# Altium PCB PCB.PcbDoc (continued)
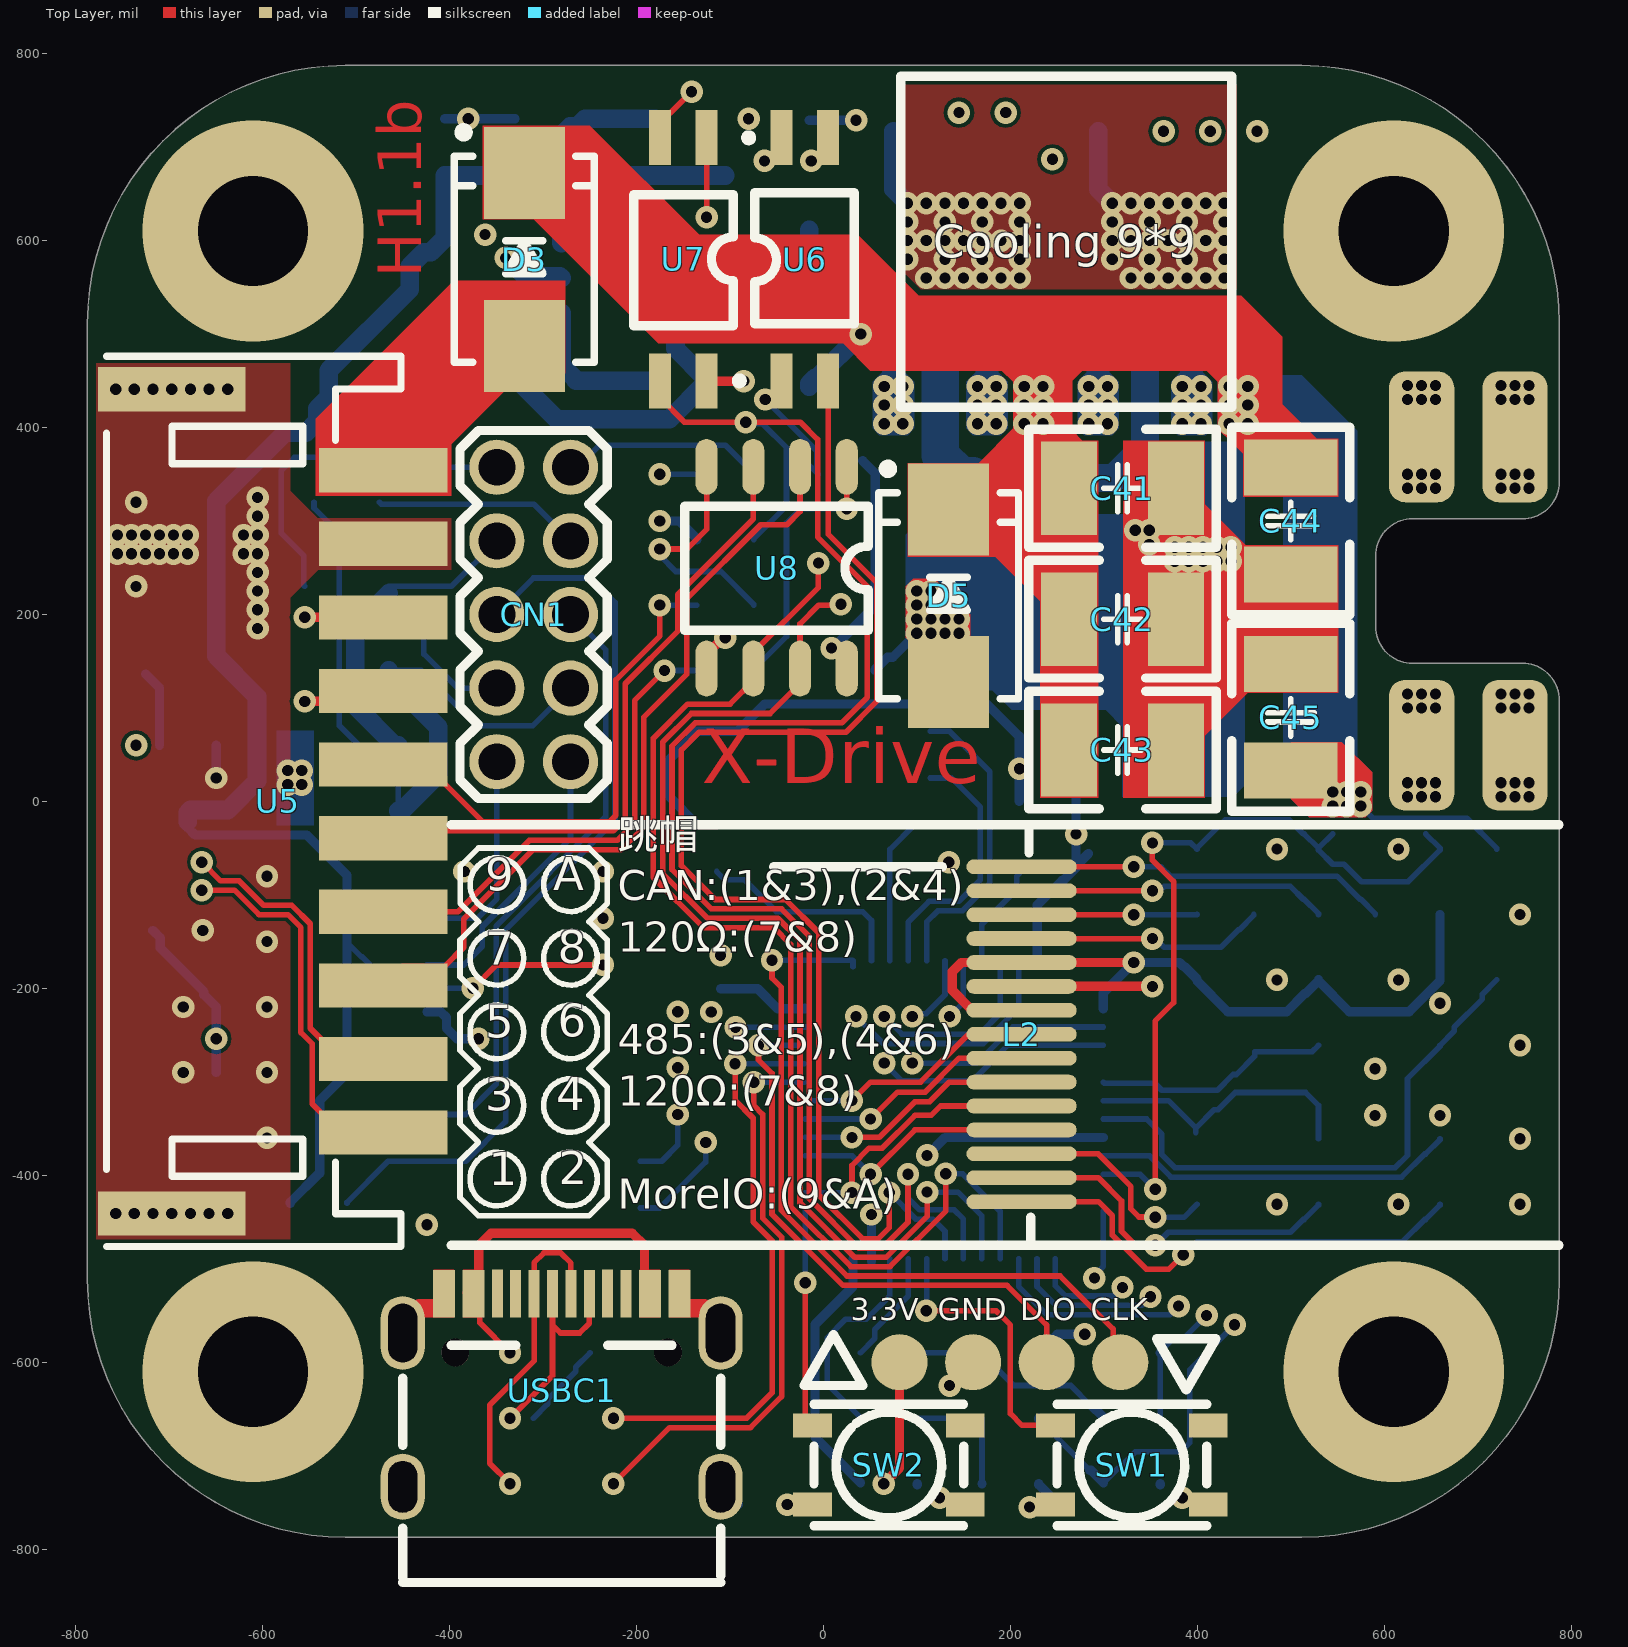
[diagram p0: Top Layer view]
## Nets (pads, with @x,y where several pads share a name; then routed paths per layer and width w, separated by ;. In a path a pad name is that pad's centre, name@x,y a point inside that pad or via, vN(x,y) a via of type N, cw(c..) or ccw(c..) an arc to the next point about the centre after c; other vN are vias at no path point) (continued)
  Bottom Layer w20: U11.5 -168.07,558.19 -134.49,558.19 -105.98,529.69 R26.1 -101.61,533.07 -18.39,533.07 D6.2 C25.1
NetC31_1: C31.1 L2.2 | length 302.6
  Top Layer w6: L2.2@242,-95.59 v1(352,-95.59)
  Bottom Layer w6: v1(352,-95.59) 355.44,-92.15 363.37,-92.15 364.51,-91 499.68,-91 513.39,-104.71 514.38,-104.71 529.68,-120.02 C31.1
NetC31_2: C31.2 L2.1 | length 370
  Top Layer w6: L2.1@242,-70 v1(332,-70)
  Bottom Layer w6: v1(332,-70) 361.22,-70 371.22,-80 549.32,-80 574.02,-104.71 575.01,-104.71 590.32,-120.02 C31.2
NetC32_1: C32.1 L2.4 | length 237.2
  Top Layer w6: L2.4@242,-146.77 v1(352,-146.77)
  Bottom Layer w6: v1(352,-146.77) 355.29,-146.77 364.51,-156 425.32,-156 444.02,-137.29 445.01,-137.29 460.32,-121.98 C32.1
NetC32_2: C32.2 L2.3 | length 157.8
  Top Layer w6: L2.3@242,-121.18 v1(332,-121.18)
  Bottom Layer w6: v1(332,-121.18) 399.5,-121.18 C32.2
NetC33_2: C33.2 L2.14 | length 355.4
  Top Layer w6: L2.14@242,-402.68 294.25,-402.68 319,-427.43 319,-459.86 334,-474.86 354.86,-474.86 v1(355,-475)
  Bottom Layer w6: v1(355,-475) 369,-461 499.68,-461 513.39,-447.29 514.38,-447.29 529.68,-431.98 C33.2
NetC34_2: C34.2 L2.15 | length 482.5
  Top Layer w6: L2.15@242,-428.27 294.25,-428.27 309,-443.02 309,-464 345.38,-500.38 369.62,-500.38 v1(385,-485)
  Bottom Layer w6: v1@390,-481 400,-471 619.68,-471 643.39,-447.29 644.38,-447.29 659.68,-431.98 C34.2
NetCN1_8: CN1.8 R12.2 | length 221.4
  Bottom Layer w6: R12.2 -472.96,318 -309.89,318 CN1.8
NetL2_13: L2.13 R27.2 | length 205.5
  Top Layer w6: L2.13@242,-377.09 294.09,-377.09 329,-412 329,-435.92 337.69,-444.61 354.61,-444.61 v1(355,-445) ; v1@356.56,-436.56 v1@360,-440
  Bottom Layer w6: v1@360,-445 385.68,-445 R27.2
NetR5_1: R5.1 U2.7 | length 164.5
  Bottom Layer w30: R5.1@297.24,345.91 310.91,345.91 344,379 U2.7
NetR8_1: R8.1 U3.7 | length 156.6
  Bottom Layer w40: U3.7 125,370.47 146.81,348.66 R8.1
NetR11_1: R11.1 U6.1 | length 126.2
  Bottom Layer w6: v1(-62.28,430) -7.05,374.78 -7.05,351.74 R11.1 -20.62,365.31 R11.1@-20.62,366.29
NetR13_2: R13.2 U7.1 | length 438.8
  Top Layer w6: v1(-125,625) U7.1
  Layer 1 w6: v1(-175,350) -175,605.86 -155.86,625 v1(-125,625)
  Bottom Layer w6: v1(-175,350) R13.2
NetR16_2: R16.2 U8.1 | length 288.1
  Top Layer w6: v1(25,313) U8.1
  Bottom Layer w6: R16.2 -74.68,140.98 -39.45,176.22 -39.45,298 -24.45,313 v1(25,313)
NetR18_2: R18.2 U8.4 | length 248.4
  Top Layer w6: v1(-175,270) -146,270 -125,291 U8.4
  Bottom Layer w6: v1@-175,263 -158,246 -109.7,246 -74.68,210.98 R18.2
NetR26_2: R26.2 U11.4 | length 67.8
  Bottom Layer w20: U11.4 -168.07,595.59 -110.28,595.59 R26.2
NRST: C3.1 R2.1 U1.7 | length 592.7
  Bottom Layer w6: U1.7 345.84,-339.84 362,-356 362,-377.9 376.1,-392 611.68,-392 625,-378.68 625,-296.67 659.68,-261.98 C3.1 674.99,-245.69 674.99,-241.4 705.01,-211.39 705.01,-206.31 R2.1
OLED_CS: L2.8 U1.31 | length 290.9
  Top Layer w6: v1(30.55,-320.16) 50.39,-300.32 104,-300.32 155.18,-249.13 L2.8@242,-249.13
  Bottom Layer w6: U1.31 v1(30.55,-320.16)
OLED_DC: L2.10 U1.29 | length 286
  Top Layer w6: v1(30.55,-359.53) 59.76,-359.53 97.93,-321.36 113.64,-321.36 134.68,-300.32 L2.10@242,-300.32
  Bottom Layer w6: U1.29 v1(30.55,-359.53)
OLED_RES: L2.9 U1.30 | length 288.4
  Top Layer w6: v1(50.55,-339.84) 79.39,-311 109,-311 145.28,-274.72 L2.9@242,-274.72
  Bottom Layer w6: U1.30 v1(50.55,-339.84)
OSC_IN: C2.2 U1.5 Y1.3 | length 256.5
  Bottom Layer w6: U1.5 300.56,-301.58 354.59,-301.58 362,-309 421.58,-309 438.33,-292.25 441.86,-292.25 461.5,-272.61 Y1.3 522.99,-267.69 C2.2
OSC_OUT: C1.2 U1.6 Y1.1 | length 304.5
  Bottom Layer w6: U1.6 369.28,-320.16 Y1.1@398.5,-349.39 ; Y1.1 Y1.1@398.5,-349.39 ; C1.2 529.68,-325.18 515.97,-311.47 440.71,-311.47 422.44,-329.75 418.14,-329.75 Y1.1@398.5,-349.39
OUT_A+: pad.3@740,390 U2.6
  other v1: 725,335 740,335 755,335 725,350 740,350 755,350 384,404 404,404 384,424 404,424 725,430 740,430 755,430 384,444 404,444 725,445 740,445 755,445
OUT_A-: pad.3@640,390 U2.8
  other v1: 625,335 640,335 655,335 625,350 640,350 655,350 284,404 304,404 284,424 304,424 625,430 640,430 655,430 284,444 304,444 625,445 640,445 655,445
OUT_B+: pad.3@640,60 U3.6
  other v1: 625,5 640,5 655,5 625,20 640,20 655,20 625,100 640,100 655,100 625,115 640,115 655,115 165,404 185,404 165,424 185,424 165,444 185,444
OUT_B-: pad.3@740,60 U3.8
  other v1: 725,5 740,5 755,5 725,20 740,20 755,20 725,100 740,100 755,100 725,115 740,115 755,115 65,404 85,404 65,424 85,424 65,444 85,444
POWER_I: U1.11
POWER_U: C14.1 R9.2 R10.1 U1.10 | length 862.1
  Top Layer w6: v1(352,-44.41) 352,-63 374.68,-85.68 374.68,-215.32 355,-235 v1(355,-415)
  Bottom Layer w6: U1.10 338.9,-398.9 v1(355,-415) ; v1(352,-44.41) 393.09,-44.41 C14.1 399.68,-50.02 429.8,-19.9 498.58,-19.9 513.39,-34.71 514.38,-34.71 R10.1@529.69,-50.02 ; R10.1@544.99,-34.71 R10.1@529.69,-50.02 ; R9.2@644.38,-34.71 659.68,-50.02 R9.2 659.68,-51.98 625.67,-86 575.7,-86 556.99,-67.29 544.99,-67.29 529.69,-51.98 R10.1 R10.1@529.69,-50.02
PUL+: R18.1 U5.5 | length 556.2
  Top Layer w6: U5.5 -425.57,39.37 -364.62,-21.57 -228.72,-21.57 -222,-14.86 -222,130 -175,177 v1(-175,210)
  Bottom Layer w6: v1@-170.32,210 R18.1
PUL-: U5.6 U8.3 | length 700.9
  Top Layer w6: U5.6 -463.05,-31.57 -224.57,-31.57 -212,-19 -212,125.86 -156,181.86 -156,221.14 -75,302.14 U8.3
RS485_DIR: U1.3 U9.2 U9.3 | length 638.1
  Layer 1 w6: v1(-155.83,-335) -155.83,-362.17 -134,-384 -109.86,-384 -5.86,-280 v1(65,-280)
  Bottom Layer w6: U9.3 -173,-385 -155.83,-367.83 v1(-155.83,-335) ; v1(65,-280) 84,-299 159.28,-299 197.18,-261.1 U1.3
RS485_RX: U1.43 U9.1 | length 561.7
  Layer 1 w6: v1(-155.83,-285) -175,-304.17 -175,-357.14 -138.14,-394 -105.72,-394 -10.72,-299 105,-299 125,-279 125,-240 v1(135,-230)
  Bottom Layer w6: v1(135,-230) 149.84,-215.16 U1.43
RS485_TX: U1.42 U9.4 | length 468.9
  Layer 1 w6: v1(-125.81,-364.92) -125.7,-364.81 -104.81,-364.81 0,-260 65,-260 v1(95,-230)
  Bottom Layer w6: U9.4 -175.16,-435 -126.08,-385.92 -126.08,-365.18 v1(-125.81,-364.92) ; v1(95,-230) 97.85,-227.15 109.85,-227.15 130.16,-206.84 U1.42
SIGNAL_ALERT: U1.19 U6.2 | length 1419.3
  Top Layer w6: U6.2 5,286 57,234 57,107 24,74 -133,74 -152,55 -152,-68.75 -115.75,-105 -40.57,-105 -5,-140.57 -5,-421.01 41.79,-467.8 58.86,-467.8 70.55,-456.1 v1(70.55,-418.58)
  Bottom Layer w6: v1(70.55,-418.58) 98.98,-447.02 117.25,-447.02 130.16,-459.92 U1.19
SIGNAL_DIR: R15.2 U1.17 U8.7 | length 1206.3
  Top Layer w6: v1(18.8,210.88) 17.92,210 -5,210 -25,190 -25,126 -57,94 -141.28,94 -172,63.28 -172,-77.04 -124.04,-125 -48.86,-125 -25,-148.86 -25,-429.29 33.51,-487.8 67.14,-487.8 111,-443.94 v1(111,-418.02)
  Bottom Layer w6: v1(111,-418.02) 144.02,-418.02 169.53,-443.53 U1.17
SIGNAL_ENA: R14.2 U1.18 U7.3 | length 1817.6
  Top Layer w6: U7.3 -175,431.99 -148.72,405.7 v1(-83,405.7) -24.56,405.7 -6.19,387.33 -6.19,283.04 47,229.86 47,111.37 19.63,84 -137.14,84 -162,59.14 -162,-72.9 -119.9,-115 -44.72,-115 -15,-144.72 -15,-425.15 37.65,-477.8 63,-477.8 90.54,-450.25 v1(90.54,-398.89)
  Bottom Layer w6: v1(-83,405.7) -81.3,404 -65,404 -39.45,378.45 -39.45,316.22 -74.68,280.98 R14.2 ; v1(90.54,-398.89) 90.54,-424.43 103.13,-437.02 140.02,-437.02 149.84,-446.84 U1.18
SIGNAL_PUL: R17.2 U1.16 U8.6 | length 1275.9
  Top Layer w6: v1(-5.32,255) -5.32,228.79 -75,159.1 -75,128.83 -99.83,104 -145.43,104 -182,67.43 -182,-81.18 -128.18,-135 -53,-135 -35,-153 -35,-433.43 29.36,-497.8 71.28,-497.8 131.02,-438.06 v1(131.02,-398.44)
  Bottom Layer w6: v1(131.02,-398.44) 149.01,-398.44 189.21,-438.65 U1.16
SPI1_MISO: U1.40 U4.6 | length 281.9
  Bottom Layer w6: U1.40 90.79,-129.21 113,-107 144.87,-107 168,-83.87 168,-6 137,25 U4.6
SPI1_MOSI: U1.41 U4.5 | length 327.7
  Bottom Layer w6: U1.41 110.47,-128.98 122.45,-117 149.02,-117 178,-88.02 178,32 135,75 U4.5
SPI1_SCK: U1.39 U4.7 | length 173.2
  Bottom Layer w6: U1.39 71.1,-51.4 97.5,-25 U4.7
SPI2_MISO: U1.27
SPI2_MOSI: L2.12 U1.28 | length 289.2
  Top Layer w6: v1(50.55,-398.9) 97.95,-351.5 L2.12@242,-351.5
  Bottom Layer w6: U1.28 30.87,-379.21 v1(50.55,-398.9)
SPI2_SCK: L2.11 U1.26 | length 316.9
  Top Layer w6: v1(30.55,-418.58) 30.55,-389.45 49,-371 63,-371 98,-336 115.32,-336 125.41,-325.91 L2.11@242,-325.91
  Bottom Layer w6: U1.26 v1(30.55,-418.58)
SWCLK: pad.@317.65,-600 U1.37 | length 811.3
  Top Layer w6: v1(-55,-170) -55,-189 -45,-199 -45,-437.57 25.22,-507.8 253.24,-507.8 309.97,-564.52 309.97,-592.32 pad.@317.65,-600
  Bottom Layer w6: v1(-55,-170) 31.18,-170 U1.37 U1.37@31.73,-176.97
SWDIO: pad.@238.91,-600 U1.34 | length 619.8
  Top Layer w6: v1(-69.45,-261.1) -69.45,-276.55 -55,-291 -55,-441.72 21.08,-517.8 196.47,-517.8 238.91,-560.23 pad.@238.91,-600
  Bottom Layer w6: v1(-69.45,-261.1) -20.55,-261.1 -20,-260.55 U1.34
USB_DM: R19.1 U1.32 | length 621.1
  Top Layer w6: v1(-224.69,-730) -164.69,-670 -78,-670 -44.72,-636.72 -44.72,-466.14 -65,-445.86 -65,-334.85 -74.45,-325.4 v1(-74.45,-300.47)
  Bottom Layer w6: v1(-74.45,-300.47) U1.32@-20.55,-300.47
USB_DP: R20.1 U1.33 | length 623.5
  Top Layer w6: v1(-224.69,-660) -82.14,-660 -54.72,-632.57 -54.72,-470.28 -75,-450 -75,-338.99 -94.45,-319.54 v1(-94.45,-280.79)
  Bottom Layer w6: v1(-94.45,-280.79) U1.33@-20.55,-280.79
VBUS: C17.1 F3.1 R21.1 USBC1.A4 USBC1.A9 USBC1.B4 USBC1.B9 | length 1442.3
  Top Layer w6: USBC1.B9@-367.68,-525.82 -367.52,-525.97 -367.52,-557.8 v1(-335.31,-590)
  Top Layer w10: USBC1.A4@-381.3,-525.81 USBC1.A4 ; USBC1.B9@-368.58,-520.85 -368.58,-475 -355.58,-462 -204.42,-462 -191.42,-475 -191.42,-520.85 USBC1.B4@-188.49,-523.79 ; USBC1.B4 USBC1.B4@-188.49,-523.79 ; USBC1.B4@-186,-521.3 USBC1.B4@-188.49,-523.79 ; USBC1.B4@-185.63,-526.64 USBC1.B4@-188.49,-523.79
  Layer 1 w20: v1(-735.32,60) -735.32,-347.68 -681,-402 -390.94,-402 -335.31,-457.63 v1(-335.31,-590)
  Bottom Layer w10: F3.1@-725,136.3 -710.32,121.61 C17.1
VCC: C41.2 C42.2 C43.2 C44.2 C45.2 C46.2 C47.2 C48.2 D3.2 D5.2 D6.1 R9.1 U2.5 U3.5 | length 278.5
  Bottom Layer w6: C48.2@522.09,35 C48.2 ; C48.2@543.66,16.81 C48.2@543.66,30 ; v1(575,-5) 588,-18 688.3,-18 720.32,-50.02 R9.1
  Bottom Layer w20: D6.1 -15,446.89 -8.66,453.23 -6.77,453.23 v1(40,500)
  other v1: 545,-5 560,-5 545,10 560,10 575,10 215,404 235,404 434,404 454,404 215,424 235,424 434,424 454,424 215,444 235,444 434,444 454,444
VCC_3.3: C4.2 C5.2 C6.2 C7.2 C8.2 C13.2 C15.1 C29.2 C30.2 C37.2 C38.2 L2.5 L2.7 pad.@81.43,-600 R2.2 R11.2 R15.1 R17.1 U1.1 U1.9 U1.24 U1.36 U1.48 U4.2 U4.4 U7.4 U8.8 U10.5 VR1.2 | length 6737.8
  Top Layer w10: U7.4 v1(-85,449.7) ; v1(64.68,-730) 81.43,-713.26 pad.@81.43,-600 ; L2.7@156.35,-220.67 138,-202.32 138,-182 147.64,-172.36 L2.5 ; L2.7@156.39,-220.67 159.26,-223.54 L2.7 ; L2.7@212,-223.01 241.46,-223.01 L2.7@242,-223.54 ; L2.5@212,-173.46 240.9,-173.46 242,-172.36 v1(332,-172.36)
  Layer 1 w20: v1(-120,-225.32) -120.77,-226.08 -120.77,-241.05 -133.72,-254 v1(-369,-254) ; v1(-85,449.7) -115,419.7 -115,306.14 8.22,182.93 8.22,164.47 v1(8.68,164) ; v1(209.68,35) 115.68,129 43.68,129 v1(8.68,164) ; v1(659.68,-216) 659.68,-325 v1(659.68,-336) 659.68,-432.32 626,-466 550,-466 466,-550 466,-654 423,-697 125,-697 92,-730 v1(64.68,-730) 7,-730 -63,-660 -63,-534 -155,-442 -267,-442 -369,-340 v1(-369,-254) ; v1(-369,-254) v1(-649.68,-254) -649.68,-164.68 -598,-113 -531,-113 -442,-24 -250.5,-24 -62.5,164 v1(8.68,164)
  Bottom Layer w6: U1.9 349.17,-379.21 371.96,-402 618.68,-402 643.39,-377.29 644.38,-377.29 659.68,-361.98 C8.2
  Bottom Layer w10: VR1.2 -709.61,-145.87 -709.61,-156.91 -662.99,-203.53 -662.99,-206.69 C29.2 v1(-649.68,-254) C30.2 ; U10.5 -409.59,-225 -403.29,-231.29 -403.29,-242.71 -392,-254 v1(-369,-254) ; U4.2 -134.84,-25 -164.7,4.86 -164.7,45.14 -134.84,75 -91.99,75 -62.86,104.13 174.77,104.13 C37.2@208.9,70 ; C7.2 -70.39,-200.32 -48.98,-221.73 U1.36 U1.36@-19.8,-221.39 ; v1(8.68,164) 10.3,164 55.31,209.02 R15.1 R17.1 R11.2 55.32,350.98 R11.2@42.01,364.29 ; U1.24 31.73,-518.98 -9,-559.71 -9,-680.33 C6.2@39.68,-729.02 ; C13.2 v1(209.68,35) C37.2 ; U1.48 248.27,-171.53 249.1,-172.36 v1(332,-172.36) ; U1.1 299.45,-204.91 v1(332,-172.36) ; C5.2 C5.2@529.68,-191.98 ; C38.2 R2.2 659.68,-191.98 626.67,-225 562.7,-225 C5.2@529.68,-191.98 ; v1(332,-172.36) 381.05,-172.36 385.39,-176.71 386.38,-176.71 399.68,-190.02 C4.2 399.68,-191.98 432.7,-225 495.68,-225 515.39,-205.29 516.38,-205.29 C5.2@529.68,-191.98
VCC_5.0: C16.1 C18.1 C20.1 C22.2 C23.2 C24.2 C27.2 C28.2 C35.2 C36.2 F3.2 L1.2 R23.2 R24.2 U9.8 U10.3 VR1.3 | length 2102.6
  Top Layer w6: v1(-375,-200) -350,-175 v1(-235.83,-175)
  Bottom Layer w6: C36.2 -509.68,-150.98 -494.38,-166.29 -493.39,-166.29 -459.68,-200 v1(-375,-200)
  Bottom Layer w10: VR1.3 -680,-28.2 -672.2,-36 -552.7,-36 -509.68,-79.02 C18.1 C36.2 ; R23.2 -570.32,-429.02 -539,-397.7 -539,-320.3 -509.68,-290.98 C35.2 ; C36.2@-509.68,-150.98 C16.1 C35.2 ; U9.8 -504.69,-285 C35.2
  Bottom Layer w20: VR1.3 -680,-12.09 -677.2,-9.29 -637.29,-9.29 -606,22 -606,112 -649.68,155.68 C28.2 C27.2 -649.68,320.98 -576.1,394.57 -553.58,394.57 -541.34,406.81 C24.2 -529.09,432.24 -529.09,461.12 -442.5,547.71 -442.5,572.5 -427.5,587.5 L1.2 -405,602.5 C23.2 C22.2@-334,669.68 ; C22.2 C22.2@-334,669.68 ; R24.2 C20.1 -263.31,722.01 -270.99,722.01 -315.01,677.99 -325.69,677.99 C22.2@-334,669.68
VCC_IN: D3.1 U5.1
VREF_A: C12.2 R7.2 U2.4 | length 2204.5
  Layer 1 w6: v1(440,-560) 440,-527.15 430.44,-517.59 430.44,7.27 168.71,269 9,428.71 9,596.29 89.71,677 210,677 221,666 268,666 279,677 424,677 v1(464,717)
  Bottom Layer w6: R7.2@230.32,-660.98 C12.2@285.04,-715.71 ; C12.2 299.68,-729.02 314.99,-713.71 315.98,-713.71 333.68,-696 382.05,-696 392.05,-686 392.05,-607.95 v1(440,-560)
  Bottom Layer w10: R7.2@230.32,-660.98 R7.2 ; C12.2@285.04,-715.71 286.38,-715.71 C12.2@299.68,-729.02
VREF_B: C10.2 R4.2 U3.4 | length 1747.6
  Layer 1 w6: v1(245,687) 85.57,687 -1,600.43 -1,424.57 164.57,259 420,3.57 420,-518 410,-528 v1(410,-550)
  Bottom Layer w6: R4.2 C10.2 360.32,-589.02 375.62,-573.71 386.29,-573.71 v1(410,-550)
pads on no net: SW1.3 SW2.3 U1.4 U4.3 USBC1. USBC1.A5 USBC1.A8 USBC1.B5 USBC1.B8 Y1.2 Y1.4
copper on no net:
  other v2: -610.24,-610.24 610.24,-610.24 -610.24,610.24 610.24,610.24

## Polygon pours and split planes (outlines as drawn)
GND on Top Layer "GND_L01_P004" (solid, pour order 4): 78,574 104,548 442,548 442,767 78,767
GND on Top Layer "GND_L01_P003" (solid, pour order 3): -398,303 -398,248 -540.24,248 -570.32,217.92 -570.32,-468.32 -778,-468.32 -778,469 -570.31,469 -570.31,332.45 -540.86,303
GND on Layer 2 "GND_L03_P006" (solid, pour order 6): -787.4,-511.81 ccw(c-511.81,-511.81) -511.81,-787.4 511.81,-787.4 ccw(c511.81,-511.81) 787.4,-511.81 787.4,108.35 ccw(c748.03,108.35) 748.03,147.72 630.24,147.72 cw(c630.24,187.09) 590.87,187.09 590.87,262.91 cw(c630.24,262.91) 630.24,302.28 748.03,302.28 ccw(c748.03,341.65) 787.4,341.65 787.4,511.81 ccw(c511.81,511.81) 511.81,787.4 -511.81,787.4 ccw(c-511.81,511.81) -787.4,511.81

## Other copper
Top Layer:
  rectangle net GND: -165.21,-552.29 -143.05,-501
  rectangle net VBUS: -196.71,-552.29 -174.55,-501
  rectangle net VBUS: -385.68,-552.29 -363.52,-501
  rectangle net GND: -417.18,-552.29 -395.02,-501
  region net VCC: 587,31 554.72,63.28 500,63.28 500,3 520,-17 580,-17 587,-10
  pour cut-out: -160,160 160,160 160,-160 -160,-160
  region net VCC: 459.75,456 527.75,388 551,388 551,326 449,326 449,372 422,399 422,449 429,456
  region net GND: 347.06,386 408,386 408,318 452,274 551,274 551,116 454,116 408,70 408,4 321,4 321,386
  region net GND: 88,175 95,168 150,168 157,175 157,200 119,238 96,238 88,230
  region net VCC: 203,429 203,399 166,362 90,362 90,262 184,262 232,214 232,4 294,4 294,386 277,386 266,397 266,430.27 239.9,456 210,456 203,449
  region net VCC: -364.62,723 -249.76,723 -132.76,606 36.79,606 101.79,541 447,541 491,497 491,424 459,392 429,392 422,399 422,449 410,461 277,461 266,450 266,418 240,392 210,392 203,399 203,449 191,461 50,461 21,490 -176.63,490 -309.63,623 -364.62,623
  region net VCC_IN: -276,557 -276,457.94 -322.06,457.94 -398,382 -398,327 -543,327 -543,409.47 -395.47,557
  text "H1.1b" at -415,560 h80 r90
  text "X-Drive" at -130,0 h100
Layer 1:
  region net OUT_A-: 272,399 352,319 656,319 667,330 667,355 660,362 382.16,362 316,428.16 316,449 309,456 279,456 272,449
  region net OUT_A+: 372,399 379,392 409,392 416,399 416,457 428,469 468,469 568,369 687,369 713,343 713,330 720,323 760,323 767,330 767,355 712,410 594,410 497,507 405,507 372,474
  pour cut-out: -160,160 160,160 160,-160 -160,-160
  region net OUT_B-: 90,456 97,449 97,421 435,83 689,83 713,107 713,120 720.5,127.5 759.5,127.5 767,120 767,93.69 709.31,36 416,36 53,399 53,449 60,456
  region net OUT_B+: 160,456 153,449 153,373 438,88 660,88 667,95 667,120 654,133 463,133 197,399 197,449 190,456
  region net GND: 304,652 297,645 297,575 324,548 434,548 441,555 441,645 434,652
  region net GND: 85,652 78,645 78,575 105,548 215,548 222,555 222,645 215,652
Layer 2:
  pour cut-out: -160,160 160,160 160,-160 -160,-160
Bottom Layer:
  rectangle net GND: -585,-26 -545.04,76
  region net VCC: 587,31 554.72,63.28 500,63.28 500,3 520,-17 580,-17 587,-10
  region net VCC: 422,449 422,399 429,392 454,392 492,354 492,4 571,4 571,396.66 511.66,456 429,456
  region net GND: 438,385 451,372 451,17.47 438.53,5 320,5 320,80 302,98 201.76,98 180.76,119 97,119 97,166 88,175 88,285.32 109.68,307 339.44,307 372,339.56 372,385
  pour cut-out: -160,160 160,160 160,-160 -160,-160
  region net VCC: 422,399 429,392 459,392 466,399 466,449 456,459 456,483 432,483 432,459 422,449
  region net VCC: 203,399 210,392 240,392 247,399 247,449 237,459 237,483 213,483 213,459 203,449
  region net OUT_B-: 53,399 60,392 90,392 97,399 97,449 87,459 87,483 63,483 63,459 53,449
  region net OUT_A+: 372,399 379,392 409,392 416,399 416,449 406,459 406,483 382,483 382,459 372,449
  region net OUT_A-: 272,399 279,392 309,392 316,399 316,449 306,459 306,483 282,483 282,459 272,449
  region net OUT_B+: 153,399 160,392 190,392 197,399 197,449 187,459 187,483 163,483 163,459 153,449

## Silkscreen, mask and mechanical layers (free items; w line width, h text height)
Top Overlay:
  circle w6: c-349.35,-404.08 r28.78
  circle w6: c-270.61,-404.08 r28.78
  circle w6: c-270.61,-246.6 r28.78
  circle w6: c-349.35,-246.6 r28.78
  circle w6: c-349.33,-167.82 r28.78
  circle w6: c-270.59,-167.82 r28.78
  circle w6: c-349.27,-89.14 r28.78
  circle w6: c-270.53,-89.14 r28.78
  circle w6: c-270.61,-325.34 r28.78
  circle w6: c-349.35,-325.34 r28.78
  lines w6: -369.16,-207.3 -388.78,-187.67 -388.78,-148.3 -369.1,-128.62 ; -369.07,-207.35 -388.75,-227.03 -388.75,-266.4 -369.13,-286.03 -369.51,-286.03 -388.79,-305.31 -388.79,-345.06 -369.11,-364.75 -369.11,-364.79 -388.75,-384.43 -388.75,-423.8 -369.07,-443.49 -250.96,-443.49 -231.27,-423.8 -231.27,-384.43 -250.94,-364.77 -231.27,-345.1 -231.27,-305.73 -250.93,-286.08 -250.93,-286.06 -231.27,-266.4 -231.27,-226.89 -250.81,-207.35 ; -369.04,-128.57 -388.67,-108.94 -388.67,-69.57 -368.98,-49.89 -250.87,-49.89 ; -250.96,-207.33 -231.3,-187.67 -231.3,-148.16 -250.84,-128.62 -231.19,-108.94 -231.19,-69.43 -250.73,-49.89
  lines w10: 220,-55 220,-25 ; 222,-475 222,-445 ; -20.67,-625 10.83,-570.45 42.33,-625 -20.67,-625 ; 82.67,421.67 437,421.67 437,776 82.67,776 82.67,421.67 ; 356.74,-575 419.74,-575 388.24,-629.55 356.74,-575
  text "Cooling 9*9" at 117.75,569.66 h60
  text "9" at -361.91,-107.29 h60
  text "A" at -288.91,-106.85 h60
  text "8" at -283.97,-184.86 h60
  text "7" at -361.97,-186.63 h60
  text "6" at -284,-263.64 h60
  text "5" at -362,-264.75 h60
  text "4" at -286,-342.29 h60
  text "3" at -362,-342.83 h60
  text "2" at -283.06,-421.31 h60
  text "1" at -358,-422.31 h60
  text "跳帽 / CAN:(1&3),(2&4) / 120Ω:(7&8) /  / 485:(3&5),(4&6) / 120Ω:(7&8) /  / MoreIO:(9&A)" at -220,-446.4 h55
  text "3.3V" at 29.09,-563.08 h40
  text "GND" at 122.15,-563.25 h40
  text "DIO" at 210.38,-563.25 h40
  text "CLK" at 286.13,-563.25 h40
Top Solder:
  text "H1.1b" at -415,560 h80 r90
  text "X-Drive" at -130,0 h100
Bottom Solder:
  text "IVES & REIN" at 345,135 h45
Mechanical 1:
  the board outline again, w10
Mechanical 15:
  lines w10: -826.77,-551.18 ccw(c-551.18,-551.18) -551.18,-826.77 ; -826.77,551.18 cw(c-551.18,551.18) -551.18,826.77 ; 551.18,-826.77 ccw(c551.18,-551.18) 826.77,-551.18 ; 551.18,826.77 cw(c551.18,551.18) 826.77,551.18